# Altium PCB PCB.PcbDoc
Units mm, origin at the board's own origin, x right, y up, seen from the top; angles counter-clockwise.
Board outline 40.64 x 67.94 mm, 2 copper layers (Top Layer, Bottom Layer); 6 components, 16 nets, 57 pads, 4 vias.
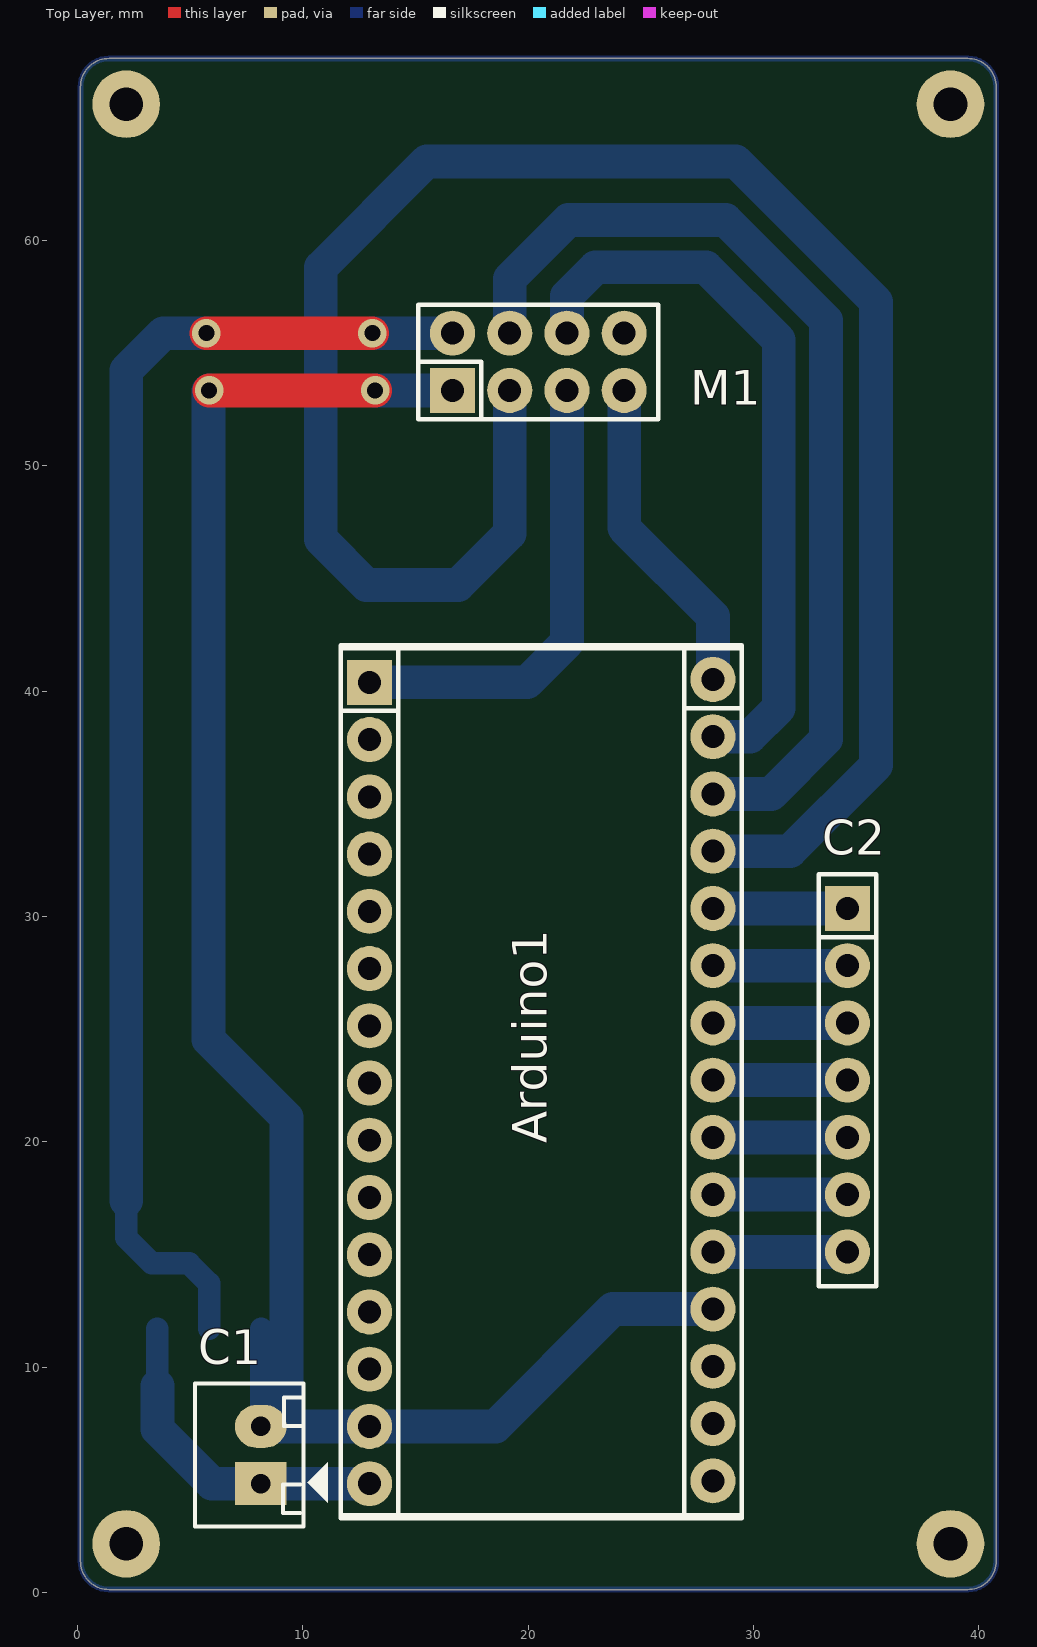
[diagram p0: Top Layer view]
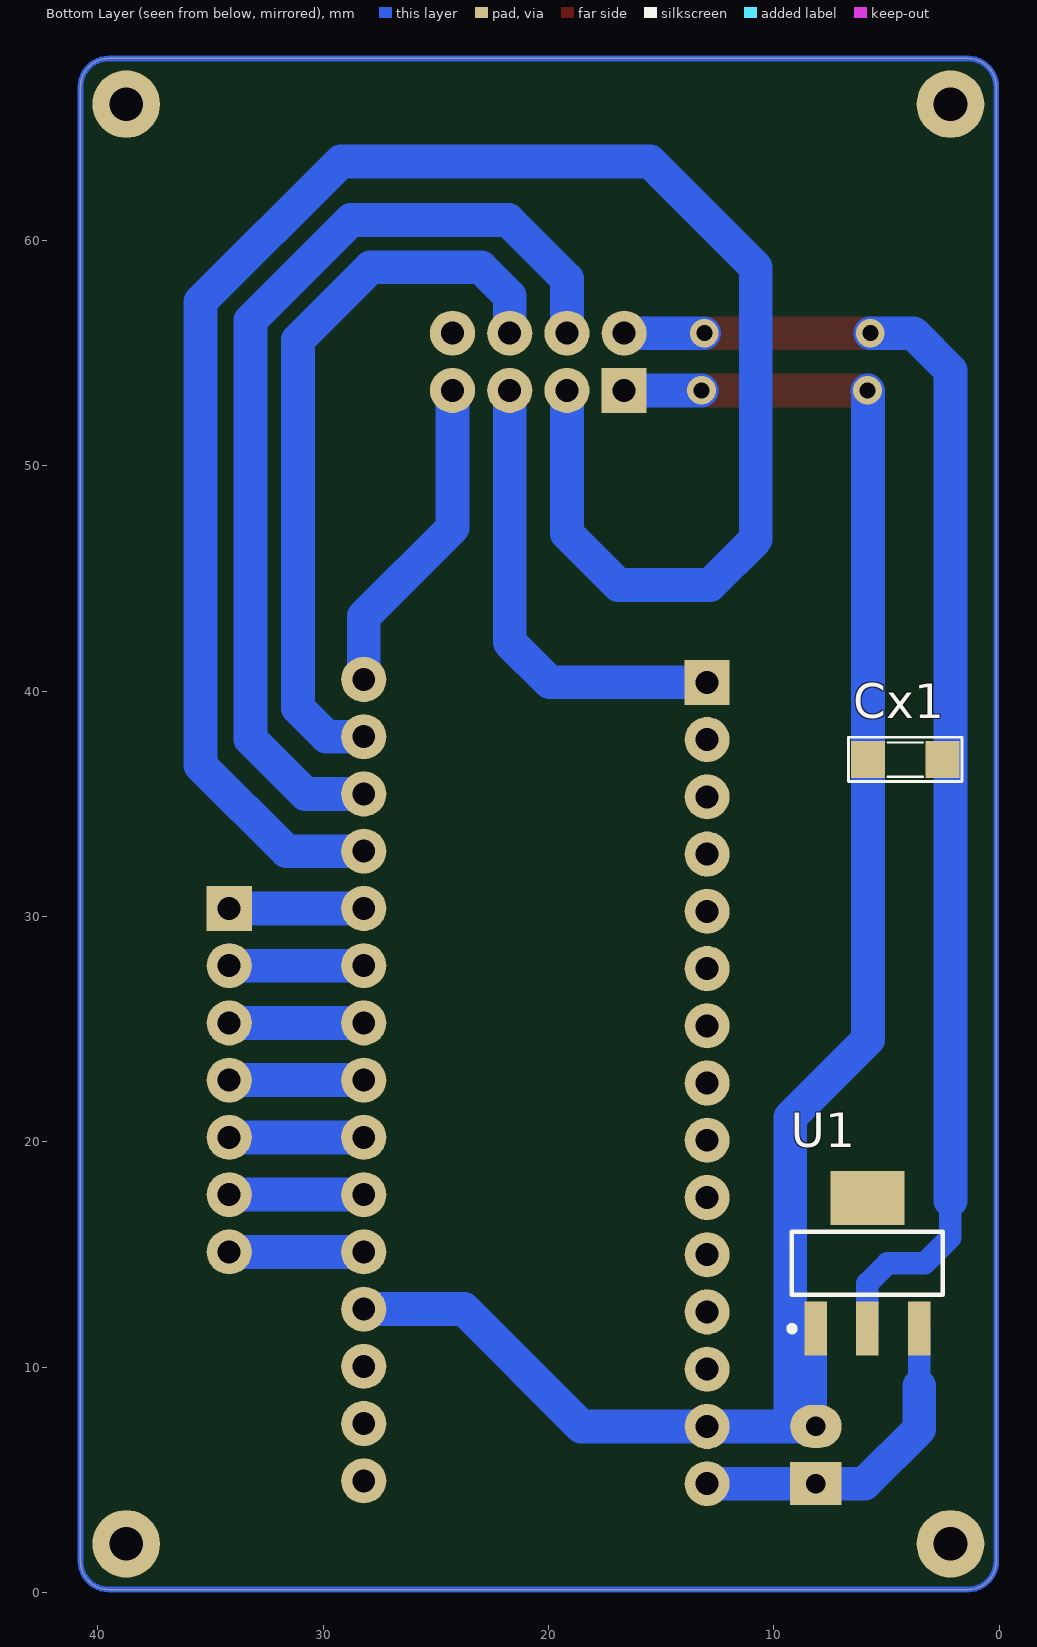
[diagram p1: Bottom Layer view, seen from below]

## Layer stack, top to bottom
Top Solder: solder mask 0.0102, Solder Resist, Dk 3.5
Top Layer: signal copper 0.0356
Dielectric 1: dielectric 0.32, FR-4, Dk 4.8
Bottom Layer: signal copper 0.0356
Bottom Solder: solder mask 0.0102, Solder Resist, Dk 3.5

## Board outline
0.127,1.397 0.127,66.802 cw(c1.397,66.802) 1.397,68.072 39.497,68.072 cw(c39.497,66.802) 40.767,66.802 40.767,1.397 cw(c39.497,1.397) 39.497,0.127 1.397,0.127 cw(c1.397,1.397)

## Design rules (kind name [scope] priority, off if disabled: settings)
Clearance [All] p1: gap=0.6 ignorepadtopadclearanceinfootprint=TRUE
PolygonConnect [All] p1: connectstyle=Relief reliefconductorwidth=0.254 reliefentries=4 polygonreliefangle="90 Angle" airgapwidth=0.254
RoutingVias [All] p1: holewidth=0.711 width=1.27 viastyle="Through Hole" minholewidth=0.711 minwidth=1.27 maxholewidth=0.711 maxwidth=1.27
SolderMaskExpansion [All] p1: expansion=0.102
Width [All] p1: maxlimit=3 minlimit=1 preferedwidth=1.5
30 further rules are at their usual default settings.

## Components (designator, comment, footprint, x,y, rotation, side; value= is the part's Value field where it differs from the comment)
Arduino1 "Arduino Nano" "Arduino Nano" 19.812,22.479 r180 top value="Cau 1A"
C1 "Header2" Header2 8.128,4.826 r90 top
C2 "JP7" JP7-C1T 34.163,30.353 r270 top
Cx1 "XXpF" CN-SMD-1206 4.191,36.957 r180 bottom value=33pF
M1 "NRF24L01" NRF24L01 20.447,54.61 r0 top
U1 "LM1117-3.3V" SOT223 5.842,14.605 r180 bottom

## Footprints (in the part's own frame and the unit in brackets; to place one, negate y for a bottom-side part, rotate by r counter-clockwise, add the part's x,y. Pads: shape width x height; smd on the part's side, far side on the other; paste and mask are expansions set on the pad)
"Arduino Nano" [mm]
  round 2 hole 1.02: 3V3(6.858,-15.367) 5V(6.858,10.033) A0(6.858,-10.287) A1(6.858,-7.747) A2(6.858,-5.207) A3(6.858,-2.667) A4(6.858,-0.127) A5(6.858,2.413) A6(6.858,4.953) A7(6.858,7.493) D2(-8.382,7.366) D3(-8.382,4.826) D4(-8.382,2.286) D5(-8.382,-0.254) D6(-8.382,-2.794) D7(-8.382,-5.334) D8(-8.382,-7.874) D9(-8.382,-10.414) D10(-8.382,-12.954) D11(-8.382,-15.494) D12(-8.382,-18.034) GND(-8.382,9.906) GND(6.858,15.113) REF(6.858,-12.827) RST(-8.382,12.446) RST(6.858,12.573) RX0(-8.382,14.986) TX1(-8.382,17.526) VIN(6.858,17.653)
  rect 2x2 hole 1.02: D13(6.858,-17.907)
  silkscreen extent -9.65,-19.55 8.13,19.18, body extent -9.65,-23.48 8.14,21.44, height 21.18
CN-SMD-1206 [mil]
  rect 60x65 smd: 1(-64,0) 2(66,0)
  silkscreen extent -98,-38 100,39, body extent -63,-31 63,31, height 40
Header2 [mil] "CON2"
  rect 75x90 hole 34: 1(0,0)
  oval 75x90 hole 34: 2(100,0)
  silkscreen extent -75,-118 175,115, body extent -68,-70 168,107, height 236
JP7-C1T [mm] "7 row, straight, gold plating"
  rect 2x2 hole 1.02: 1(0,0)
  round 2 hole 1.02: 2(2.54,0) 3(5.08,0) 4(7.62,0) 5(10.16,0) 6(12.7,0) 7(15.24,0)
  silkscreen extent -1.52,-1.27 16.76,1.27, body extent -1.52,-1.25 16.76,1.25, height 8.51
NRF24L01 [mm]
  rect 2x2 hole 1.02: 1(-3.81,-1.27)
  round 2 hole 1.02: 2(-1.27,-1.27) 3(1.27,-1.27) 4(3.81,-1.27) 5(3.81,1.27) 6(1.27,1.27) 7(-1.27,1.27) 8(-3.81,1.27)
  silkscreen extent -5.33,-2.54 5.33,2.54, body extent -5.85,-2.79 9.15,26.21, height 15.4
SOT223 [mm]
  rect 1x2.4 smd: 1(-2.3,-2.9) 2(0,-2.9) 3(2.3,-2.9)
  rect 3.3x2.4 smd: 4(0,2.9)
  silkscreen extent -3.48,-3.02 3.35,1.4, body extent -3.25,-3.56 3.25,3.4, height 1.68

## Part data
Arduino1: "Arduino NANO", ="Cau 5A"
C1: "Header IDC, 2 x 1 Pin Vertical 2.54mm Pitch (Non-Boxed, Male)", Manufacturer="Würth Elektronik eiSos GmbH", partNo=613002143121, ComponentLink1 Description=Manufacturer, ComponentLink1URL=http://www.we-online.com, ComponentLink2 Description=Datasheet, ComponentLink2URL=http://katalog.we-online.de/em/datasheet/6130xx143121.pdf, Created by="Karrer Zheng", Created Date="29 March 2013", NoPins=02
C2: "WR-PHD 2.54 mm Angled Socket Header", Manufacturer="Würth Elektronik eiSos GmbH", partNo=613007143121, ComponentLink1 Description=Manufacturer, ComponentLink1URL=http://www.we-online.com, ComponentLink2 Description=Datasheet, ComponentLink2URL=http://katalog.we-online.de/em/datasheet/6130xx143121.pdf, Created by="Karrer Zheng", Created Date="29 March 2013", NoPins=07
Cx1: library part CN
U1: library part LM1117, "800mA Low-Dropout Linear Regulator", Creator="Nguyen Ba Bien", Website=http://group3i.net

## Free pads (board coordinates)
  round 3 hole 1.5: 1(2.159,66.04) 2(2.159,2.159) 3(38.735,2.159) 4(38.735,66.04)

## Via types
v1: diameter 1.27, hole 0.711, Top Layer to Bottom Layer, 4 vias

## Nets (pads, with @x,y where several pads share a name; then routed paths per layer and width w, separated by ;. In a path a pad name is that pad's centre, name@x,y a point inside that pad or via, vN(x,y) a via of type N, cw(c..) or ccw(c..) an arc to the next point about the centre after c; other vN are vias at no path point)
+5: Arduino1.5V
CE: Arduino1.D9 M1.2 | length 87.1
  Bottom Layer w1.5: M1.2 19.177,46.99 16.891,44.704 12.827,44.704 10.795,46.736 10.795,58.801 15.494,63.5 29.21,63.5 35.433,57.277 35.433,36.703 31.623,32.893 Arduino1.D9
CLK: Arduino1.D13 M1.3 | length 20.7
  Bottom Layer w1.5: Arduino1.D13 19.939,40.386 21.717,42.164 M1.3
CSN: Arduino1.D10 M1.7 | length 44
  Bottom Layer w1.5: M1.7 19.177,58.293 21.785,60.901 28.761,60.901 33.215,56.447 33.215,37.865 30.783,35.433 Arduino1.D10
GND: Arduino1.GND C1.2 Cx1.1 M1.1 U1.1 | length 84.8
  Top Layer w1.5: v1(5.842,53.34) v1(13.208,53.34)
  Bottom Layer w1: C1.2 8.142,7.38 U1.1
  Bottom Layer w1.5: v1(5.842,53.34) 5.817,53.315 Cx1.1 5.817,24.536 9.271,21.082 9.271,7.366 ; C1.2 9.271,7.366 ; v1(13.208,53.34) M1.1 ; Arduino1.GND@28.194,12.573 23.749,12.573 18.542,7.366 12.954,7.366 9.271,7.366
MISO: Arduino1.D12 M1.4 | length 14.5
  Bottom Layer w1.5: M1.4 24.257,47.244 28.194,43.307 Arduino1.D12
MOSI: Arduino1.D11 M1.6 | length 32.7
  Bottom Layer w1.5: M1.6 21.717,57.531 22.987,58.801 27.891,58.801 31.115,55.577 31.115,39.243 29.845,37.973 Arduino1.D11
NetArduino1_D2: Arduino1.D2 C2.7 | length 6
  Bottom Layer w1.5: Arduino1.D2 C2.7
NetArduino1_D3: Arduino1.D3 C2.6 | length 6
  Bottom Layer w1.5: Arduino1.D3 C2.6
NetArduino1_D4: Arduino1.D4 C2.5 | length 6
  Bottom Layer w1.5: Arduino1.D4 C2.5
NetArduino1_D5: Arduino1.D5 C2.4 | length 6
  Bottom Layer w1.5: Arduino1.D5 C2.4
NetArduino1_D6: Arduino1.D6 C2.3 | length 6
  Bottom Layer w1.5: Arduino1.D6 C2.3
NetArduino1_D7: Arduino1.D7 C2.2 | length 6
  Bottom Layer w1.5: Arduino1.D7 C2.2
NetArduino1_D8: Arduino1.D8 C2.1 | length 6
  Bottom Layer w1.5: Arduino1.D8 C2.1
NetCx1_2: Cx1.2 M1.8 U1.2 | length 60.2
  Top Layer w1.5: v1(5.715,55.88) v1(13.081,55.88)
  Bottom Layer w1: 2.159,17.399 2.159,15.748 3.302,14.605 4.953,14.605 5.842,13.716 U1.2
  Bottom Layer w1.5: 2.159,17.399 2.159,54.229 3.81,55.88 v1(5.715,55.88) ; v1(13.081,55.88) M1.8
VCC: Arduino1.VIN C1.1 U1.3 | length 14.9
  Bottom Layer w1: 3.542,9.158 U1.3
  Bottom Layer w1.5: 3.542,9.158 3.542,7.253 5.969,4.826 C1.1 Arduino1.VIN
pads on no net: Arduino1.3V3 Arduino1.A0 Arduino1.A1 Arduino1.A2 Arduino1.A3 Arduino1.A4 Arduino1.A5 Arduino1.A6 Arduino1.A7 Arduino1.REF Arduino1.RST Arduino1.RX0 Arduino1.TX1 M1.5 U1.4
copper on no net: | length 215
  Bottom Layer w0.254: 0.127,1.397 ccw(c1.397,1.397) 1.397,0.127 39.497,0.127 ccw(c39.497,1.397) 40.767,1.397 40.767,49.53 40.767,66.802 ccw(c39.497,66.802) 39.497,68.072 1.397,68.072 ccw(c1.397,66.802) 0.127,66.802 0.127,1.397